# Altium PCB MB1166.PcbDoc (part 29 of 39)
Units mil, origin at the board's own origin, x right, y up, seen from the top; angles counter-clockwise.
Board outline 5000.99 x 2352.96 mil, 4 copper layers (TOP, L2_GND, L3_VCC, BOTTOM), stack 25.9 mil thick; 35 components, 24 nets, 166 pads, 143 vias.
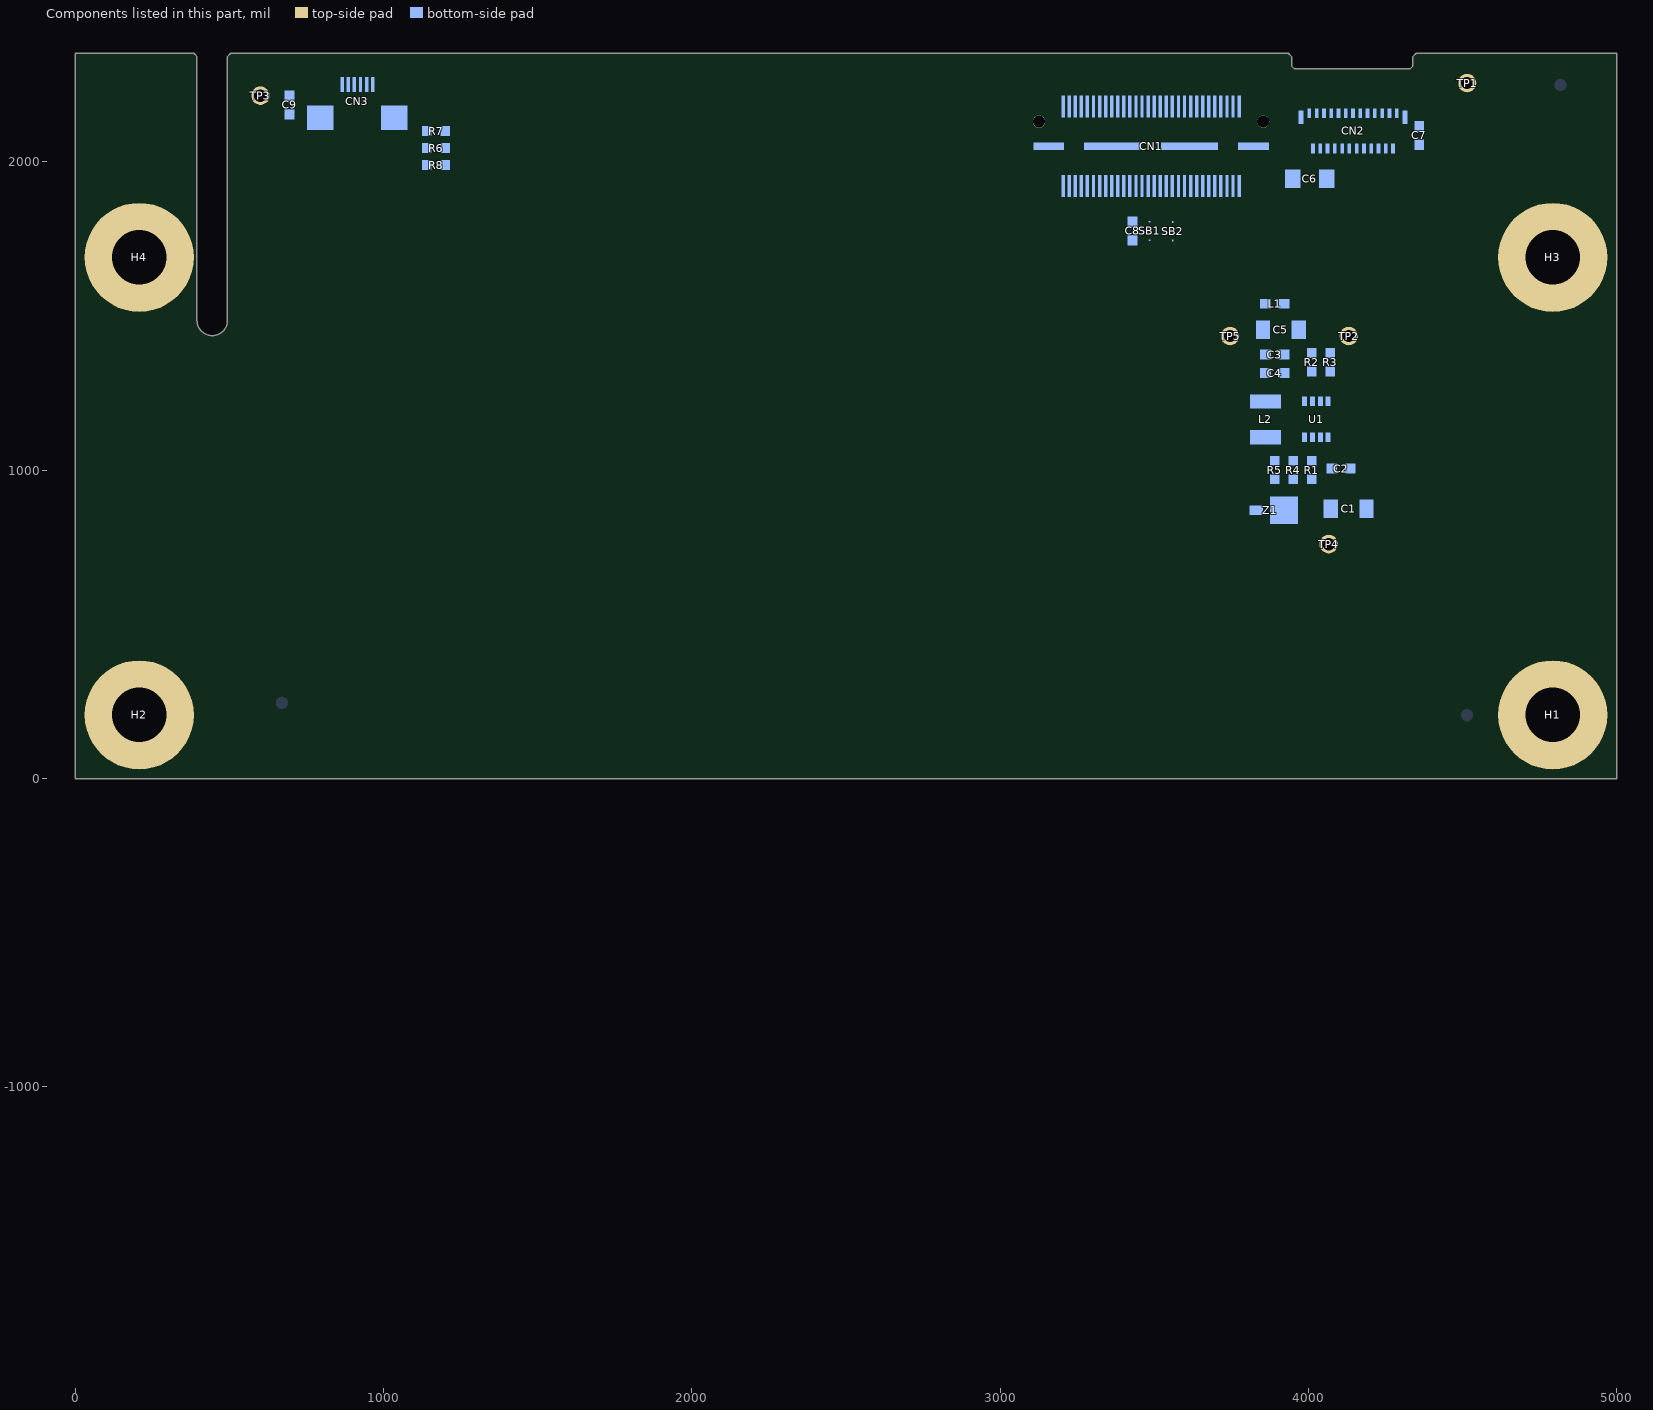
[diagram p31: the components of this part, seen from the top]

## Via types
v1: diameter 24, hole 12, TOP to BOTTOM, 143 vias

## Nets (pads, with @x,y where several pads share a name; then routed paths per layer and width w, separated by ;. In a path a pad name is that pad's centre, name@x,y a point inside that pad or via, vN(x,y) a via of type N, cw(c..) or ccw(c..) an arc to the next point about the centre after c; other vN are vias at no path point) (continued)
copper on no net: (continued)
  BOTTOM w2: 1089.34,-1123.99 1089.4,-1123.92 ; 1089.34,-1123.99 1089.4,-1123.92 ; 1089.41,-1215.08 1089.5,-1215.1 ; 1089.41,-1215.08 1089.5,-1215.1 ; 1089.4,-1123.92 1089.47,-1123.85 ; 1089.4,-1123.92 1089.47,-1123.85 ; 1089.47,-1123.85 1089.54,-1123.77 ; 1089.47,-1123.85 1089.54,-1123.77 ; 1089.5,-1215.1 1089.6,-1215.13 ; 1089.5,-1215.1 1089.6,-1215.13 ; 1089.54,-1123.77 1089.61,-1123.7 ; 1089.54,-1123.77 1089.61,-1123.7 ; 1089.6,-1215.13 1089.8,-1215.17 ; 1089.6,-1215.13 1089.8,-1215.17 ; 1089.61,-1123.7 1089.67,-1123.62 ; 1089.61,-1123.7 1089.67,-1123.62 ; 1089.67,-1123.62 1089.81,-1123.48 ; 1089.67,-1123.62 1089.81,-1123.48 ; 1089.8,-1215.17 1089.89,-1215.2 ; 1089.8,-1215.17 1089.89,-1215.2 ; 1089.81,-1123.48 1089.88,-1123.4 ; 1089.81,-1123.48 1089.88,-1123.4 ; 1089.89,-1215.2 1089.99,-1215.22 ; 1089.89,-1215.2 1089.99,-1215.22 ; 1089.88,-1123.4 1089.94,-1123.33 ; 1089.88,-1123.4 1089.94,-1123.33 ; 1089.94,-1123.33 1090.01,-1123.25 ; 1089.94,-1123.33 1090.01,-1123.25 ; 1089.99,-1215.22 1090.09,-1215.25 ; 1089.99,-1215.22 1090.09,-1215.25 ; 1090.01,-1123.25 1090.15,-1123.11 ; 1090.01,-1123.25 1090.15,-1123.11 ; 1090.09,-1215.25 1090.18,-1215.27 ; 1090.09,-1215.25 1090.18,-1215.27 ; 1090.15,-1123.11 1090.21,-1123.03 ; 1090.15,-1123.11 1090.21,-1123.03 ; 1090.18,-1215.27 1090.28,-1215.29 ; 1090.18,-1215.27 1090.28,-1215.29 ; 1090.21,-1123.03 1090.35,-1122.89 ; 1090.21,-1123.03 1090.35,-1122.89 ; 1090.28,-1215.29 1090.38,-1215.32 ; 1090.28,-1215.29 1090.38,-1215.32 ; 1090.35,-1122.89 1090.42,-1122.81 ; 1090.35,-1122.89 1090.42,-1122.81 ; 1090.38,-1215.32 1090.48,-1215.34 ; 1090.38,-1215.32 1090.48,-1215.34 ; 1090.42,-1122.81 1090.49,-1122.74 ; 1090.42,-1122.81 1090.49,-1122.74 ; 1090.48,-1215.34 1090.57,-1215.36 ; 1090.48,-1215.34 1090.57,-1215.36 ; 1090.49,-1122.74 1090.55,-1122.67 ; 1090.49,-1122.74 1090.55,-1122.67 ; 1090.57,-1215.36 1090.67,-1215.39 ; 1090.57,-1215.36 1090.67,-1215.39 ; 1090.55,-1122.67 1090.62,-1122.59 ; 1090.55,-1122.67 1090.62,-1122.59 ; 1090.62,-1122.59 1090.76,-1122.45 ; 1090.62,-1122.59 1090.76,-1122.45 ; 1090.67,-1215.39 1090.87,-1215.43 ; 1090.67,-1215.39 1090.87,-1215.43 ; 1090.76,-1122.45 1090.83,-1122.37 ; 1090.76,-1122.45 1090.83,-1122.37 ; 1090.87,-1215.43 1090.96,-1215.46 ; 1090.87,-1215.43 1090.96,-1215.46 ; 1090.83,-1122.37 1090.89,-1122.3 ; 1090.83,-1122.37 1090.89,-1122.3 ; 1090.89,-1122.3 1090.96,-1122.23 ; 1090.89,-1122.3 1090.96,-1122.23 ; 1090.96,-1215.46 1091.16,-1215.5 ; 1090.96,-1215.46 1091.16,-1215.5 ; 1090.96,-1122.23 1091.03,-1122.15 ; 1090.96,-1122.23 1091.03,-1122.15 ; 1091.03,-1122.15 1091.17,-1122.01 ; 1091.03,-1122.15 1091.17,-1122.01 ; 1091.16,-1215.5 1091.25,-1215.52 ; 1091.16,-1215.5 1091.25,-1215.52 ; 1091.17,-1122.01 1091.23,-1121.93 ; 1091.17,-1122.01 1091.23,-1121.93 ; 1091.25,-1215.52 1091.35,-1215.55 ; 1091.25,-1215.52 1091.35,-1215.55 ; 1091.23,-1121.93 1091.37,-1121.79 ; 1091.23,-1121.93 1091.37,-1121.79 ; 1091.35,-1215.55 1091.55,-1215.59 ; 1091.36,-1215.55 1121.41,-1185.5 1091.36,-1215.55 ; 1091.35,-1215.55 1091.55,-1215.59 ; 1091.37,-1121.79 1091.44,-1121.71 ; 1091.37,-1121.79 1091.44,-1121.71 ; 1091.44,-1121.71 1091.51,-1121.64 ; 1091.44,-1121.71 1091.51,-1121.64 ; 1091.51,-1121.64 1091.57,-1121.57 ; 1091.51,-1121.64 1091.57,-1121.57 ; 1091.55,-1215.59 1091.64,-1215.61 ; 1091.55,-1215.59 1091.64,-1215.61 ; 1091.57,-1121.57 1091.64,-1121.49 ; 1091.57,-1121.57 1091.64,-1121.49 ; 1091.64,-1215.61 1091.74,-1215.64 ; 1091.64,-1215.61 1091.74,-1215.64 ; 1091.64,-1121.49 1091.78,-1121.35 ; 1091.64,-1121.49 1091.78,-1121.35 ; 1091.74,-1215.64 1091.94,-1215.68 ; 1091.74,-1215.64 1091.94,-1215.68 ; 1091.78,-1121.35 1091.85,-1121.27 ; 1091.78,-1121.35 1091.85,-1121.27 ; 1091.85,-1121.27 1091.91,-1121.2 ; 1091.85,-1121.27 1091.91,-1121.2 ; 1091.91,-1121.2 1091.98,-1121.13 ; 1091.91,-1121.2 1091.98,-1121.13 ; 1091.94,-1215.68 1092.03,-1215.7 ; 1091.94,-1215.68 1092.03,-1215.7 ; 1091.98,-1121.13 1092.05,-1121.05 ; 1091.98,-1121.13 1092.05,-1121.05 ; 1092.03,-1215.7 1092.13,-1215.72 ; 1092.03,-1215.7 1092.13,-1215.72 ; 1092.05,-1121.05 1092.26,-1120.84 ; 1092.05,-1121.05 1092.26,-1120.84 ; 1092.13,-1215.72 1092.23,-1215.75 ; 1092.13,-1215.72 1092.23,-1215.75 ; 1092.23,-1215.75 1092.43,-1215.79 ; 1092.23,-1215.75 1092.43,-1215.79 ; 1092.26,-1120.84 1092.32,-1120.76 ; 1092.26,-1120.84 1092.32,-1120.76 ; 1092.32,-1120.76 1092.53,-1120.55 ; 1092.32,-1120.76 1092.53,-1120.55 ; 1092.43,-1215.79 1092.52,-1215.81 ; 1092.43,-1215.79 1092.52,-1215.81 ; 1092.52,-1215.81 1092.82,-1215.87 ; 1092.52,-1215.81 1092.82,-1215.87 ; 1092.53,-1120.55 1092.6,-1120.47 ; 1092.53,-1120.55 1092.6,-1120.47 ; 1092.6,-1120.47 1092.81,-1120.26 ; 1092.6,-1120.47 1092.81,-1120.26 ; 1092.82,-1215.87 1092.91,-1215.89 ; 1092.82,-1215.87 1092.91,-1215.89 ; 1092.81,-1120.26 1092.88,-1120.18 ; 1092.81,-1120.26 1092.88,-1120.18 ; 1092.91,-1215.89 1093.31,-1215.97 ; 1092.91,-1215.89 1093.31,-1215.97 ; 1092.88,-1120.18 1093.02,-1120.04 ; 1092.88,-1120.18 1093.02,-1120.04 ; 1093.02,-1120.04 1093.08,-1119.97 ; 1093.02,-1120.04 1093.08,-1119.97 ; 1093.08,-1119.97 1093.22,-1119.83 ; 1093.08,-1119.97 1093.22,-1119.83 ; 1093.22,-1119.83 1093.29,-1119.75 ; 1093.22,-1119.83 1093.29,-1119.75 ; 1093.31,-1215.97 1093.4,-1215.99 ; 1093.31,-1215.97 1093.4,-1215.99 ; 1093.29,-1119.75 1093.43,-1119.61 ; 1093.29,-1119.75 1093.43,-1119.61 ; 1093.4,-1215.99 1093.9,-1216.09 ; 1093.4,-1215.99 1093.9,-1216.09 ; 1093.43,-1119.61 1093.51,-1119.54 ; 1093.43,-1119.61 1093.51,-1119.54 ; 1093.51,-1119.54 1094.07,-1118.98 ; 1093.51,-1119.54 1094.07,-1118.98 ; 1093.9,-1216.09 1093.99,-1216.11 ; 1093.9,-1216.09 1093.99,-1216.11 ; 1093.99,-1216.11 1094.09,-1216.13 ; 1093.99,-1216.11 1094.09,-1216.13 ; 1094.07,-1118.98 1094.15,-1118.91 ; 1094.07,-1118.98 1094.15,-1118.91 ; 1094.09,-1216.13 1094.19,-1216.14 ; 1094.09,-1216.13 1094.19,-1216.14 ; 1094.15,-1118.91 1094.43,-1118.63 ; 1094.15,-1118.91 1094.43,-1118.63 ; 1094.19,-1216.14 1094.39,-1216.18 ; 1094.19,-1216.14 1094.39,-1216.18 ; 1094.39,-1216.18 1094.48,-1216.2 ; 1094.39,-1216.18 1094.48,-1216.2 ; 1094.43,-1118.63 1094.51,-1118.56 ; 1094.43,-1118.63 1094.51,-1118.56 ; 1094.48,-1216.2 1094.68,-1216.24 ; 1094.48,-1216.2 1094.68,-1216.24 ; 1094.51,-1118.56 1094.58,-1118.49 ; 1094.51,-1118.56 1094.58,-1118.49 ; 1094.58,-1118.49 1094.65,-1118.43 ; 1094.58,-1118.49 1094.65,-1118.43 ; 1094.65,-1118.43 1094.73,-1118.36 ; 1094.65,-1118.43 1094.73,-1118.36 ; 1094.68,-1216.24 1094.78,-1216.25 ; 1094.68,-1216.24 1094.78,-1216.25 ; 1094.73,-1118.36 1094.87,-1118.22 ; 1094.73,-1118.36 1094.87,-1118.22 ; 1094.78,-1216.25 1095.08,-1216.31 ; 1094.78,-1216.25 1095.08,-1216.31 ; 1094.87,-1118.22 1094.95,-1118.16 ; 1094.87,-1118.22 1094.95,-1118.16 ; 1094.95,-1118.16 1095.02,-1118.09 ; 1094.95,-1118.16 1095.02,-1118.09 ; 1095.02,-1118.09 1095.1,-1118.02 ; 1095.02,-1118.09 1095.1,-1118.02 ; 1095.08,-1216.31 1095.17,-1216.32 ; 1095.09,-1216.31 1122.73,-1188.67 1095.09,-1216.31 ; 1095.08,-1216.31 1095.17,-1216.32 ; 1095.1,-1118.02 1095.17,-1117.95 ; 1095.1,-1118.02 1095.17,-1117.95 ; 1095.17,-1216.32 1095.27,-1216.34 1095.17,-1216.32 ; 1095.17,-1117.95 1095.25,-1117.89 ; 1095.17,-1117.95 1095.25,-1117.89 ; 1095.25,-1117.89 1095.32,-1117.82 ; 1095.25,-1117.89 1095.32,-1117.82 ; 1095.32,-1117.82 1095.4,-1117.76 ; 1095.32,-1117.82 1095.4,-1117.76 ; 1095.4,-1117.76 1095.47,-1117.69 ; 1095.4,-1117.76 1095.47,-1117.69 ; 1095.47,-1117.69 1095.55,-1117.63 ; 1095.47,-1117.69 1095.55,-1117.63 ; 1095.55,-1117.63 1095.62,-1117.56 ; 1095.55,-1117.63 1095.62,-1117.56 ; 1095.62,-1117.56 1095.7,-1117.5 ; 1095.62,-1117.56 1095.7,-1117.5 ; 1095.7,-1117.5 1095.78,-1117.43 ; 1095.7,-1117.5 1095.78,-1117.43 ; 1095.78,-1117.43 1095.85,-1117.37 ; 1095.78,-1117.43 1095.85,-1117.37 ; 1095.85,-1117.37 1095.93,-1117.3 ; 1095.85,-1117.37 1095.93,-1117.3 ; 1095.93,-1117.3 1096.01,-1117.24 ; 1095.93,-1117.3 1096.01,-1117.24 ; 1096.01,-1117.24 1096.08,-1117.18 ; 1096.01,-1117.24 1096.08,-1117.18 ; 1096.08,-1117.18 1096.16,-1117.11 ; 1096.08,-1117.18 1096.16,-1117.11 ; 1096.16,-1117.11 1096.4,-1116.93 ; 1096.16,-1117.11 1096.4,-1116.93 ; 1096.4,-1116.93 1096.47,-1116.86 ; 1096.4,-1116.93 1096.47,-1116.86 ; 1096.47,-1116.86 1097.03,-1116.44 ; 1096.47,-1116.86 1097.03,-1116.44 ; 1097.03,-1116.44 1097.11,-1116.37 ; 1097.03,-1116.44 1097.11,-1116.37 ; 1097.11,-1116.37 1097.43,-1116.13 ; 1097.11,-1116.37 1097.43,-1116.13 ; 1097.43,-1116.13 1097.51,-1116.08 ; 1097.43,-1116.13 1097.51,-1116.08 ; 1097.51,-1116.08 1098.15,-1115.6 ; 1097.51,-1116.08 1098.15,-1115.6 ; 1098.15,-1115.6 1098.24,-1115.54 ; 1098.15,-1115.6 1098.24,-1115.54 ; 1098.24,-1115.54 1098.32,-1115.49 ; 1098.24,-1115.54 1098.32,-1115.49 ; 1098.32,-1115.49 1098.64,-1115.25 ; 1098.32,-1115.49 1098.64,-1115.25 ; 1098.64,-1115.25 1098.72,-1115.2 ; 1098.64,-1115.25 1098.72,-1115.2 ; 1098.72,-1115.2 1098.8,-1115.14 ; 1098.72,-1115.2 1098.8,-1115.14 ; 1098.8,-1115.14 1098.89,-1115.08 ; 1098.8,-1115.14 1098.89,-1115.08 ; 1098.89,-1115.08 1099.05,-1114.96 ; 1098.89,-1115.08 1099.05,-1114.96 ; 1099.05,-1114.96 1099.13,-1114.91 ; 1099.05,-1114.96 1099.13,-1114.91 ; 1099.13,-1114.91 1099.29,-1114.79 ; 1099.13,-1114.91 1099.29,-1114.79 ; 1099.29,-1114.79 1099.38,-1114.73 ; 1099.29,-1114.79 1099.38,-1114.73 ; 1099.38,-1114.73 1099.46,-1114.68 ; 1099.38,-1114.73 1099.46,-1114.68 ; 1099.46,-1114.68 1099.7,-1114.5 ; 1099.46,-1114.68 1099.7,-1114.5 ; 1099.7,-1114.5 1099.79,-1114.45 ; 1099.7,-1114.5 1099.79,-1114.45 ; 1099.79,-1114.45 1100.03,-1114.27 ; 1099.79,-1114.45 1100.03,-1114.27 ; 1100.03,-1114.27 1100.11,-1114.22 ; 1100.03,-1114.27 1100.11,-1114.22 ; 1100.11,-1114.22 1100.19,-1114.16 ; 1100.11,-1114.22 1100.19,-1114.16 ; 1100.19,-1114.16 1100.28,-1114.1 ; 1100.19,-1114.16 1100.28,-1114.1 ; 1100.28,-1114.1 1100.36,-1114.05 ; 1100.28,-1114.1 1100.36,-1114.05 ; 1100.36,-1114.05 1100.52,-1113.93 ; 1100.36,-1114.05 1100.52,-1113.93 ; 1100.52,-1113.93 1100.61,-1113.87 ; 1100.52,-1113.93 1100.61,-1113.87 ; 1100.61,-1113.87 1100.69,-1113.82 ; 1100.61,-1113.87 1100.69,-1113.82 ; 1100.69,-1113.82 1100.85,-1113.7 ; 1100.69,-1113.82 1100.85,-1113.7 ; 1100.85,-1113.7 1100.94,-1113.65 ; 1100.85,-1113.7 1100.94,-1113.65 ; 1100.94,-1113.65 1101.1,-1113.53 ; 1100.94,-1113.65 1101.1,-1113.53 ; 1101.1,-1113.53 1101.18,-1113.48 ; 1101.1,-1113.53 1101.18,-1113.48 ; 1101.18,-1113.48 1101.27,-1113.42 ; 1101.18,-1113.48 1101.27,-1113.42 ; 1101.27,-1113.42 1101.35,-1113.37 ; 1101.27,-1113.42 1101.35,-1113.37 ; 1101.35,-1113.37 1101.51,-1113.25 ; 1101.35,-1113.37 1101.51,-1113.25 ; 1101.51,-1113.25 1101.6,-1113.2 ; 1101.51,-1113.25 1101.6,-1113.2 ; 1101.6,-1113.2 1101.68,-1113.14 ; 1101.6,-1113.2 1101.68,-1113.14 ; 1101.68,-1113.14 1101.76,-1113.09 ; 1101.68,-1113.14 1101.76,-1113.09 ; 1101.76,-1113.09 1101.85,-1113.03 ; 1101.76,-1113.09 1101.85,-1113.03 ; 1101.85,-1113.03 1101.93,-1112.98 ; 1101.85,-1113.03 1101.93,-1112.98 ; 1101.93,-1112.98 1102.01,-1112.92 ; 1101.93,-1112.98 1102.01,-1112.92 ; 1102.01,-1112.92 1102.1,-1112.87 ; 1102.01,-1112.92 1102.1,-1112.87 ; 1102.1,-1112.87 1102.18,-1112.81 ; 1102.1,-1112.87 1102.18,-1112.81 ; 1102.18,-1112.81 1102.26,-1112.76 ; 1102.18,-1112.81 1102.26,-1112.76 ; 1102.26,-1112.76 1102.35,-1112.7 ; 1102.26,-1112.76 1102.35,-1112.7 ; 1102.35,-1112.7 1102.43,-1112.65 ; 1102.35,-1112.7 1102.43,-1112.65 ; 1102.43,-1112.65 1102.52,-1112.59 ; 1102.43,-1112.65 1102.52,-1112.59 ; 1102.52,-1112.59 1102.6,-1112.54 ; 1102.52,-1112.59 1102.6,-1112.54 ; 1102.6,-1112.54 1102.69,-1112.49 ; 1102.6,-1112.54 1102.69,-1112.49 ; 1102.69,-1112.49 1102.77,-1112.43 ; 1102.69,-1112.49 1102.77,-1112.43 ; 1102.77,-1112.43 1102.85,-1112.38 ; 1102.77,-1112.43 1102.85,-1112.38 ; 1102.85,-1112.38 1102.94,-1112.33 ; 1102.85,-1112.38 1102.94,-1112.33 ; 1102.94,-1112.33 1103.02,-1112.27 ; 1102.94,-1112.33 1103.02,-1112.27 ; 1103.02,-1112.27 1103.11,-1112.22 ; 1103.02,-1112.27 1103.11,-1112.22 ; 1103.11,-1112.22 1103.19,-1112.17 ; 1103.11,-1112.22 1103.19,-1112.17 ; 1103.19,-1112.17 1103.28,-1112.12 ; 1103.19,-1112.17 1103.28,-1112.12 ; 1103.28,-1112.12 1103.36,-1112.06 ; 1103.28,-1112.12 1103.36,-1112.06 ; 1103.36,-1112.06 1103.45,-1112.01 ; 1103.36,-1112.06 1103.45,-1112.01 ; 1103.45,-1112.01 1103.53,-1111.96 ; 1103.45,-1112.01 1103.53,-1111.96 ; 1103.53,-1111.96 1103.71,-1111.86 ; 1103.53,-1111.96 1103.71,-1111.86 ; 1103.71,-1111.86 1103.79,-1111.8 ; 1103.71,-1111.86 1103.79,-1111.8 ; 1103.79,-1111.8 1103.88,-1111.75 ; 1103.79,-1111.8 1103.88,-1111.75 ; 1103.88,-1111.75 1103.96,-1111.7 ; 1103.88,-1111.75 1103.96,-1111.7 ; 1103.96,-1111.7 1104.14,-1111.6 ; 1103.96,-1111.7 1104.14,-1111.6 ; 1104.14,-1111.6 1104.22,-1111.55 ; 1104.14,-1111.6 1104.22,-1111.55 ; 1104.22,-1111.55 1104.4,-1111.45 ; 1104.22,-1111.55 1104.4,-1111.45 ; 1104.4,-1111.45 1104.48,-1111.4 ; 1104.4,-1111.45 1104.48,-1111.4 ; 1104.48,-1111.4 1104.66,-1111.3 ; 1104.48,-1111.4 1104.66,-1111.3 ; 1104.66,-1111.3 1104.74,-1111.26 ; 1104.66,-1111.3 1104.74,-1111.26 ; 1104.74,-1111.26 1105.1,-1111.06 ; 1104.74,-1111.26 1105.1,-1111.06 ; 1105.1,-1111.06 1105.18,-1111.02 ; 1105.1,-1111.06 1105.18,-1111.02 ; 1105.18,-1111.02 1105.36,-1110.92 ; 1105.18,-1111.02 1105.36,-1110.92 ; 1105.36,-1110.92 1105.45,-1110.88 ; 1105.36,-1110.92 1105.45,-1110.88 ; 1105.45,-1110.88 1105.63,-1110.78 ; 1105.45,-1110.88 1105.63,-1110.78 ; 1105.63,-1110.78 1105.72,-1110.74 ; 1105.63,-1110.78 1105.72,-1110.74 ; 1105.72,-1110.74 1105.8,-1110.69 ; 1105.72,-1110.74 1105.8,-1110.69 ; 1105.8,-1110.69 1105.89,-1110.65 ; 1105.8,-1110.69 1105.89,-1110.65 ; 1105.89,-1110.65 1105.98,-1110.6 ; 1105.89,-1110.65 1105.98,-1110.6 ; 1105.98,-1110.6 1106.07,-1110.56 ; 1105.98,-1110.6 1106.07,-1110.56 ; 1106.07,-1110.56 1106.16,-1110.51 ; 1106.07,-1110.56 1106.16,-1110.51 ; 1106.16,-1110.51 1106.34,-1110.43 ; 1106.16,-1110.51 1106.34,-1110.43 ; 1106.34,-1110.43 1106.43,-1110.38 ; 1106.34,-1110.43 1106.43,-1110.38 ; 1106.43,-1110.38 1106.61,-1110.3 ; 1106.43,-1110.38 1106.61,-1110.3 ; 1106.61,-1110.3 1106.7,-1110.25 ; 1106.61,-1110.3 1106.7,-1110.25 ; 1106.7,-1110.25 1106.88,-1110.17 ; 1106.7,-1110.25 1106.88,-1110.17 ; 1106.88,-1110.17 1106.98,-1110.13 ; 1106.88,-1110.17 1106.98,-1110.13 ; 1106.98,-1110.13 1107.07,-1110.09 ; 1106.98,-1110.13 1107.07,-1110.09 ; 1107.07,-1110.09 1107.16,-1110.04 ; 1107.07,-1110.09 1107.16,-1110.04 ; 1107.16,-1110.04 1107.61,-1109.84 ; 1107.16,-1110.04 1107.61,-1109.84 ; 1107.61,-1109.84 1107.71,-1109.8 ; 1107.61,-1109.84 1107.71,-1109.8 ; 1107.71,-1109.8 1108.07,-1109.64 ; 1107.71,-1109.8 1108.07,-1109.64 ; 1108.07,-1109.64 1108.17,-1109.6 ; 1108.07,-1109.64 1108.17,-1109.6 ; 1108.17,-1109.6 1108.26,-1109.57 ; 1108.17,-1109.6 1108.26,-1109.57 ; 1108.26,-1109.57 1108.53,-1109.45 ; 1108.26,-1109.57 1108.53,-1109.45 ; 1108.53,-1109.45 1108.63,-1109.41 ; 1108.53,-1109.45 1108.63,-1109.41 ; 1108.63,-1109.41 1108.72,-1109.38 ; 1108.63,-1109.41 1108.72,-1109.38 ; 1108.72,-1109.38 1108.81,-1109.34 ; 1108.72,-1109.38 1108.81,-1109.34 ; 1108.81,-1109.34 1108.91,-1109.3 ; 1108.81,-1109.34 1108.91,-1109.3 ; 1108.91,-1109.3 1109,-1109.27 ; 1108.91,-1109.3 1109,-1109.27 ; 1109,-1109.27 1109.09,-1109.23 ; 1109,-1109.27 1109.09,-1109.23 ; 1109.09,-1109.23 1109.19,-1109.19 ; 1109.09,-1109.23 1109.19,-1109.19 ; 1109.19,-1109.19 1109.28,-1109.16 ; 1109.19,-1109.19 1109.28,-1109.16 ; 1109.28,-1109.16 1109.37,-1109.12 ; 1109.28,-1109.16 1109.37,-1109.12 ; 1109.37,-1109.12 1109.47,-1109.08 ; 1109.37,-1109.12 1109.47,-1109.08 ; 1109.47,-1109.08 1109.56,-1109.05 ; 1109.47,-1109.08 1109.56,-1109.05 ; 1109.56,-1109.05 1109.65,-1109.01 ; 1109.56,-1109.05 1109.65,-1109.01 ; 1109.65,-1109.01 1109.75,-1108.98 ; 1109.65,-1109.01 1109.75,-1108.98 ; 1109.75,-1108.98 1109.84,-1108.94 ; 1109.75,-1108.98 1109.84,-1108.94 ; 1109.84,-1108.94 1109.93,-1108.91 ; 1109.84,-1108.94 1109.93,-1108.91 ; 1109.93,-1108.91 1110.03,-1108.88 ; 1109.93,-1108.91 1110.03,-1108.88 ; 1110.03,-1108.88 1110.12,-1108.84 ; 1110.03,-1108.88 1110.12,-1108.84 ; 1110.12,-1108.84 1110.22,-1108.81 ; 1110.12,-1108.84 1110.22,-1108.81 ; 1110.22,-1108.81 1110.31,-1108.77 ; 1110.22,-1108.81 1110.31,-1108.77 ; 1110.31,-1108.77 1110.4,-1108.74 ; 1110.31,-1108.77 1110.4,-1108.74 ; 1110.4,-1108.74 1110.5,-1108.71 ; 1110.4,-1108.74 1110.5,-1108.71 ; 1110.5,-1108.71 1110.59,-1108.67 ; 1110.5,-1108.71 1110.59,-1108.67 ; 1110.59,-1108.67 1110.69,-1108.64 ; 1110.59,-1108.67 1110.69,-1108.64 ; 1110.69,-1108.64 1110.78,-1108.61 ; 1110.69,-1108.64 1110.78,-1108.61 ; 1110.78,-1108.61 1110.88,-1108.58 ; 1110.78,-1108.61 1110.88,-1108.58 ; 1110.88,-1108.58 1110.97,-1108.54 ; 1110.88,-1108.58 1110.97,-1108.54 ; 1110.97,-1108.54 1111.07,-1108.51 ; 1110.97,-1108.54 1111.07,-1108.51 ; 1111.07,-1108.51 1111.25,-1108.45 ; 1111.07,-1108.51 1111.25,-1108.45 ; 1111.25,-1108.45 1111.35,-1108.42 ; 1111.25,-1108.45 1111.35,-1108.42 ; 1111.35,-1108.42 1111.44,-1108.38 ; 1111.35,-1108.42 1111.44,-1108.38 ; 1111.44,-1108.38 1111.54,-1108.35 ; 1111.44,-1108.38 1111.54,-1108.35 ; 1111.54,-1108.35 1111.63,-1108.32 ; 1111.54,-1108.35 1111.63,-1108.32 ; 1111.63,-1108.32 1111.73,-1108.29 ; 1111.63,-1108.32 1111.73,-1108.29 ; 1111.73,-1108.29 1111.82,-1108.26 ; 1111.73,-1108.29 1111.82,-1108.26 ; 1111.82,-1108.26 1112.02,-1108.2 ; 1111.82,-1108.26 1112.02,-1108.2 ; 1112.02,-1108.2 1112.11,-1108.17 ; 1112.02,-1108.2 1112.11,-1108.17 ; 1112.11,-1108.17 1112.21,-1108.14 ; 1112.11,-1108.17 1112.21,-1108.14 ; 1112.21,-1108.14 1112.3,-1108.11 ; 1112.21,-1108.14 1112.3,-1108.11 ; 1112.3,-1108.11 1112.4,-1108.08 ; 1112.3,-1108.11 1112.4,-1108.08 ; 1112.4,-1108.08 1112.49,-1108.05 ; 1112.4,-1108.08 1112.49,-1108.05 ; 1112.49,-1108.05 1112.59,-1108.02 ; 1112.49,-1108.05 1112.59,-1108.02 ; 1112.59,-1108.02 1112.68,-1107.99 ; 1112.59,-1108.02 1112.68,-1107.99 ; 1112.68,-1107.99 1112.88,-1107.93 ; 1112.68,-1107.99 1112.88,-1107.93 ; 1112.88,-1107.93 1112.97,-1107.91 ; 1112.88,-1107.93 1112.97,-1107.91 ; 1112.97,-1107.91 1113.07,-1107.88 ; 1112.97,-1107.91 1113.07,-1107.88 ; 1113.07,-1107.88 1113.16,-1107.85 ; 1113.07,-1107.88 1113.16,-1107.85 ; 1113.16,-1107.85 1113.36,-1107.79 ; 1113.16,-1107.85 1113.36,-1107.79 ; 1113.36,-1107.79 1113.45,-1107.77 ; 1113.36,-1107.79 1113.45,-1107.77 ; 1113.45,-1107.77 1113.55,-1107.74 ; 1113.45,-1107.77 1113.55,-1107.74 ; 1113.55,-1107.74 1113.64,-1107.71 ; 1113.55,-1107.74 1113.64,-1107.71 ; 1113.64,-1107.71 1113.74,-1107.68 ; 1113.64,-1107.71 1113.74,-1107.68 ; 1113.74,-1107.68 1113.84,-1107.66 ; 1113.74,-1107.68 1113.84,-1107.66 ; 1113.84,-1107.66 1113.93,-1107.63 ; 1113.84,-1107.66 1113.93,-1107.63 ; 1113.93,-1107.63 1114.03,-1107.6 ; 1113.93,-1107.63 1114.03,-1107.6 ; 1114.03,-1107.6 1114.12,-1107.58 ; 1114.03,-1107.6 1114.12,-1107.58 ; 1114.12,-1107.58 1114.32,-1107.52 ; 1114.12,-1107.58 1114.32,-1107.52 ; 1114.32,-1107.52 1114.41,-1107.5 ; 1114.32,-1107.52 1114.41,-1107.5 ; 1114.41,-1107.5 1114.61,-1107.44 ; 1114.41,-1107.5 1114.61,-1107.44 ; 1114.61,-1107.44 1114.7,-1107.42 ; 1114.61,-1107.44 1114.7,-1107.42 ; 1114.7,-1107.42 1114.8,-1107.39 ; 1114.7,-1107.42 1114.8,-1107.39 ; 1114.8,-1107.39 1114.9,-1107.37 ; 1114.8,-1107.39 1114.9,-1107.37 ; 1114.9,-1107.37 1114.99,-1107.34 ; 1114.9,-1107.37 1114.99,-1107.34 ; 1114.99,-1107.34 1115.09,-1107.32 ; 1114.99,-1107.34 1115.09,-1107.32 ; 1115.09,-1107.32 1115.19,-1107.29 ; 1115.09,-1107.32 1115.19,-1107.29 ; 1115.19,-1107.29 1115.28,-1107.27 ; 1115.19,-1107.29 1115.28,-1107.27 ; 1115.28,-1107.27 1115.38,-1107.24 ; 1115.28,-1107.27 1115.38,-1107.24 ; 1115.38,-1107.24 1115.58,-1107.2 ; 1115.38,-1107.24 1115.58,-1107.2 ; 1115.58,-1107.2 1115.67,-1107.17 ; 1115.58,-1107.2 1115.67,-1107.17 ; 1115.67,-1107.17 1115.77,-1107.15 ; 1115.67,-1107.17 1115.77,-1107.15 ; 1115.77,-1107.15 1115.87,-1107.12 ; 1115.77,-1107.15 1115.87,-1107.12 ; 1115.87,-1107.12 1115.96,-1107.1 ; 1115.87,-1107.12 1115.96,-1107.1 ; 1115.96,-1107.1 1116.06,-1107.08 ; 1115.96,-1107.1 1116.06,-1107.08 ; 1116.06,-1107.08 1116.16,-1107.05 ; 1116.06,-1107.08 1116.16,-1107.05 ; 1116.16,-1107.05 1116.26,-1107.03 ; 1116.16,-1107.05 1116.26,-1107.03 ; 1116.26,-1107.03 1116.35,-1107.01 ; 1116.26,-1107.03 1116.35,-1107.01